# Altium PCB 2012_BALISE_CARTE_PRINCIPALE.PCBDOC (continued)
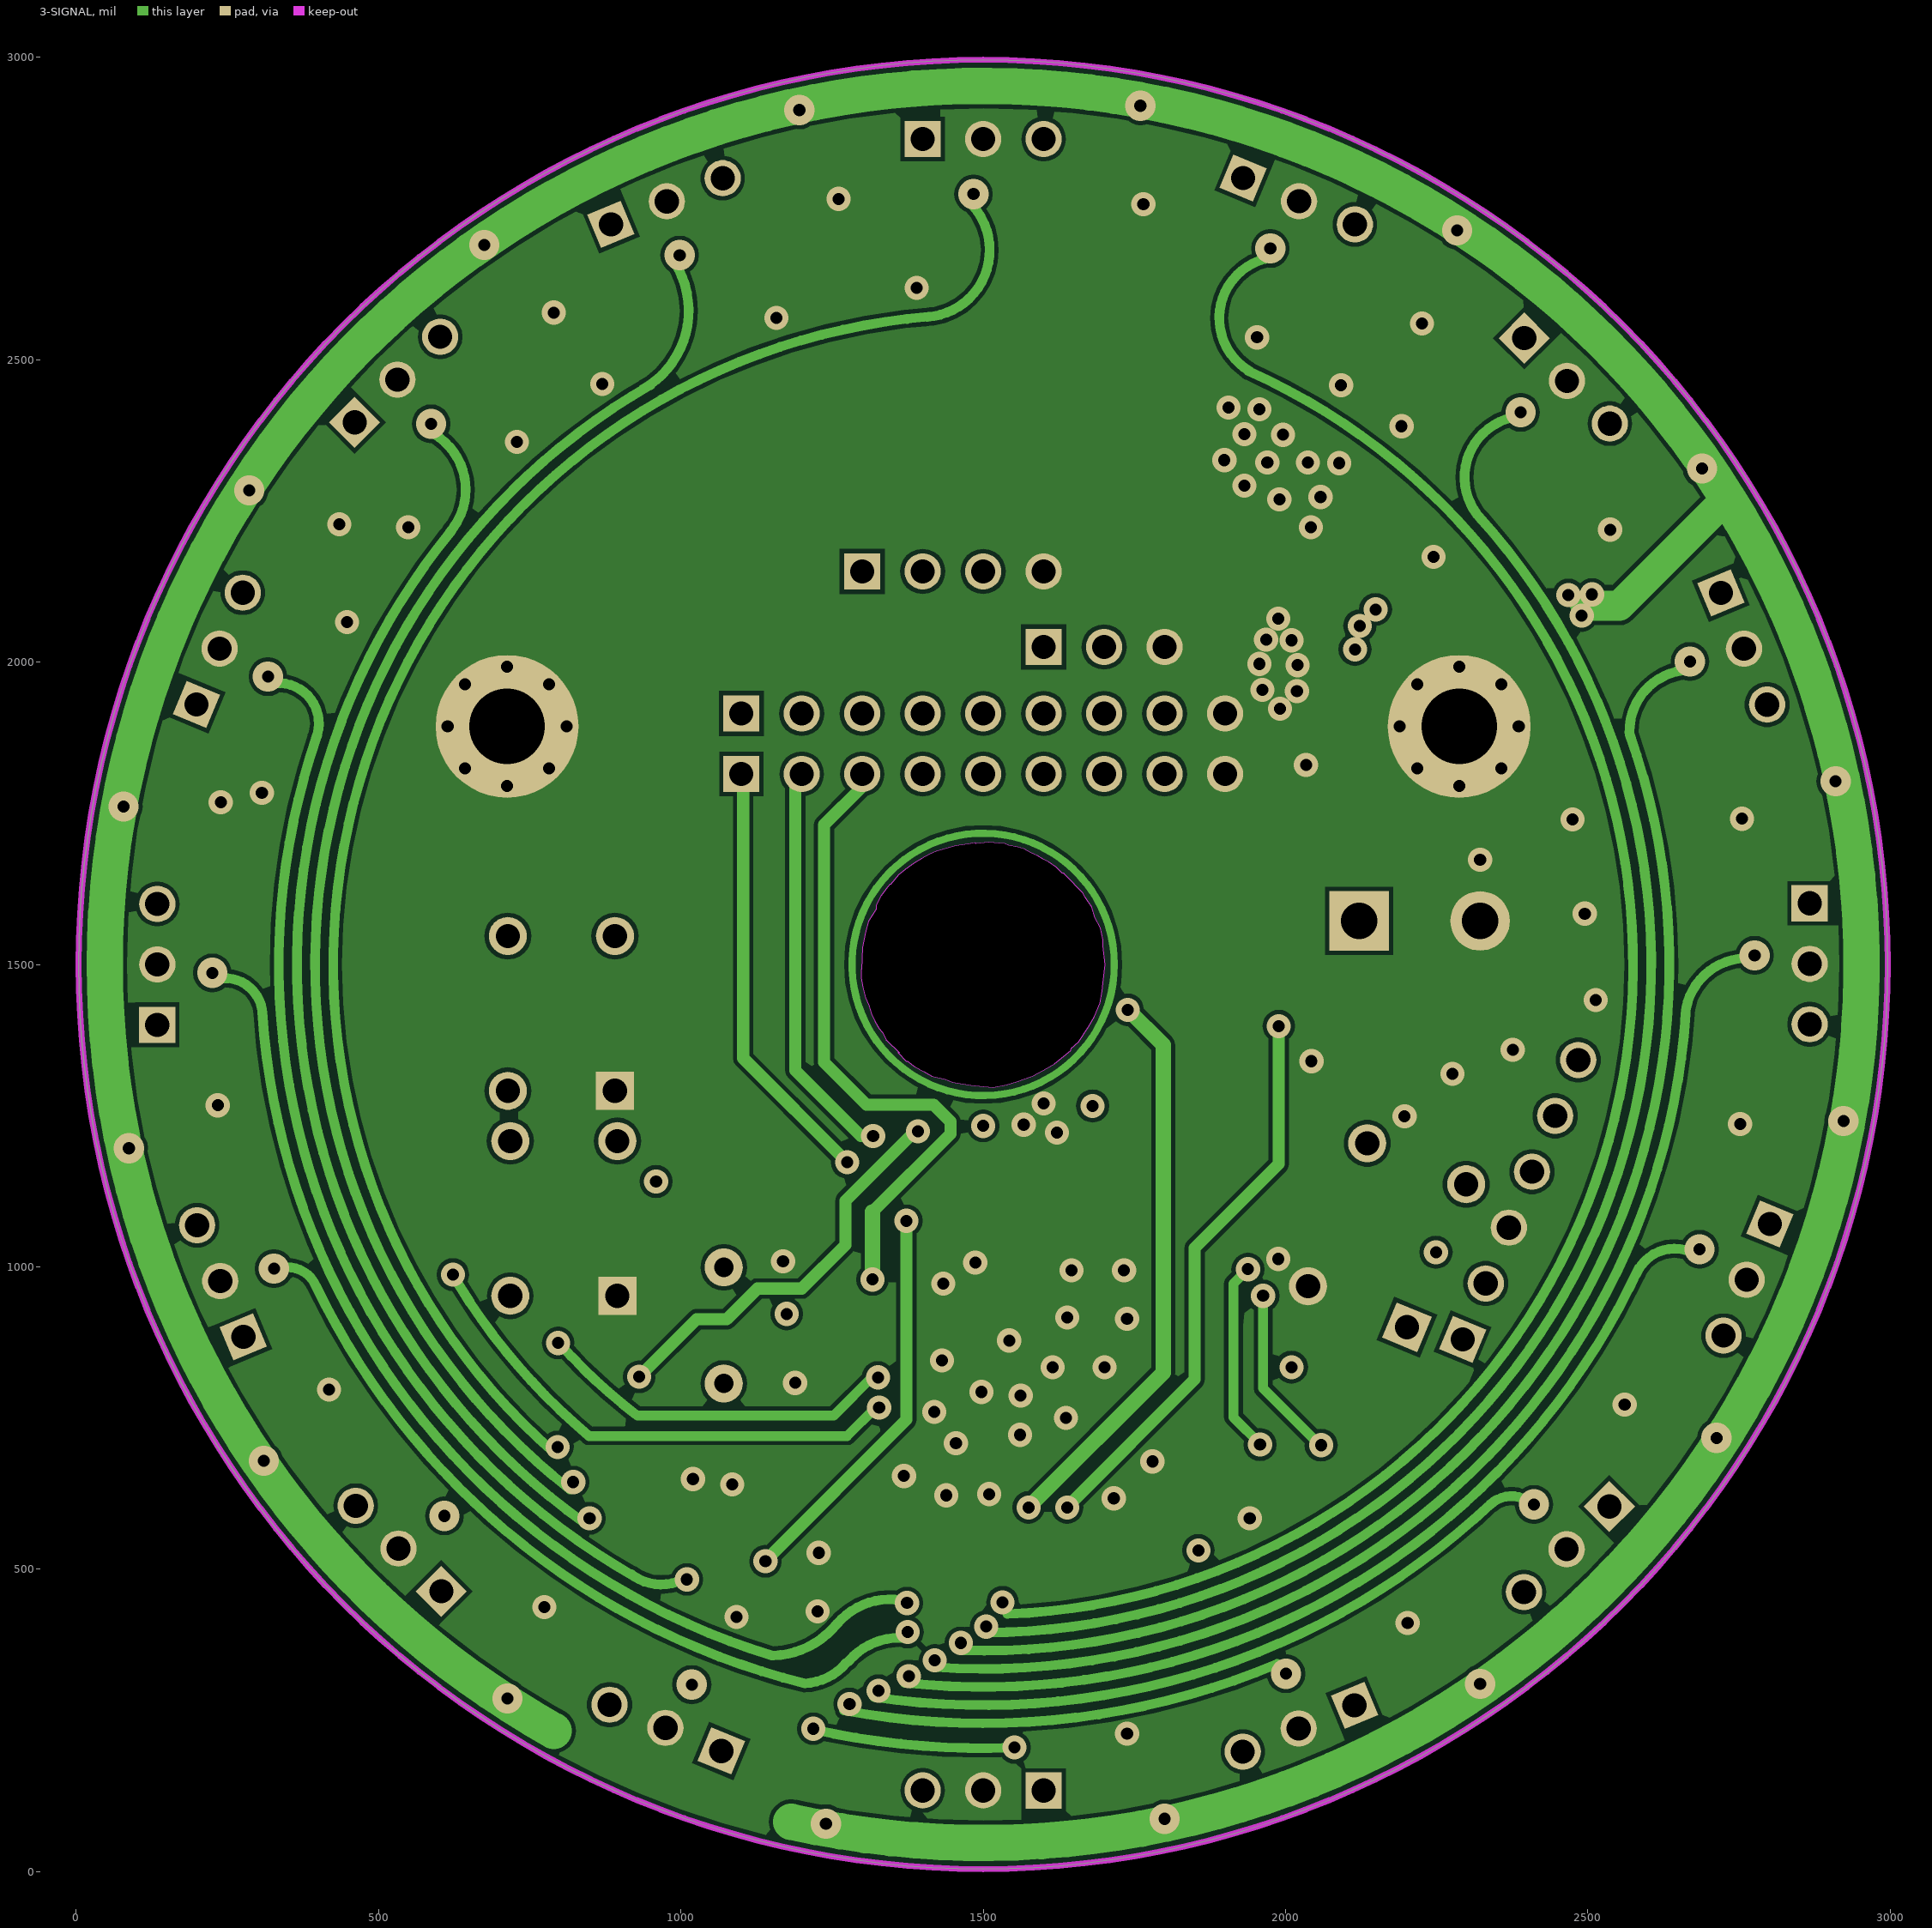
[diagram p3: 3-SIGNAL]
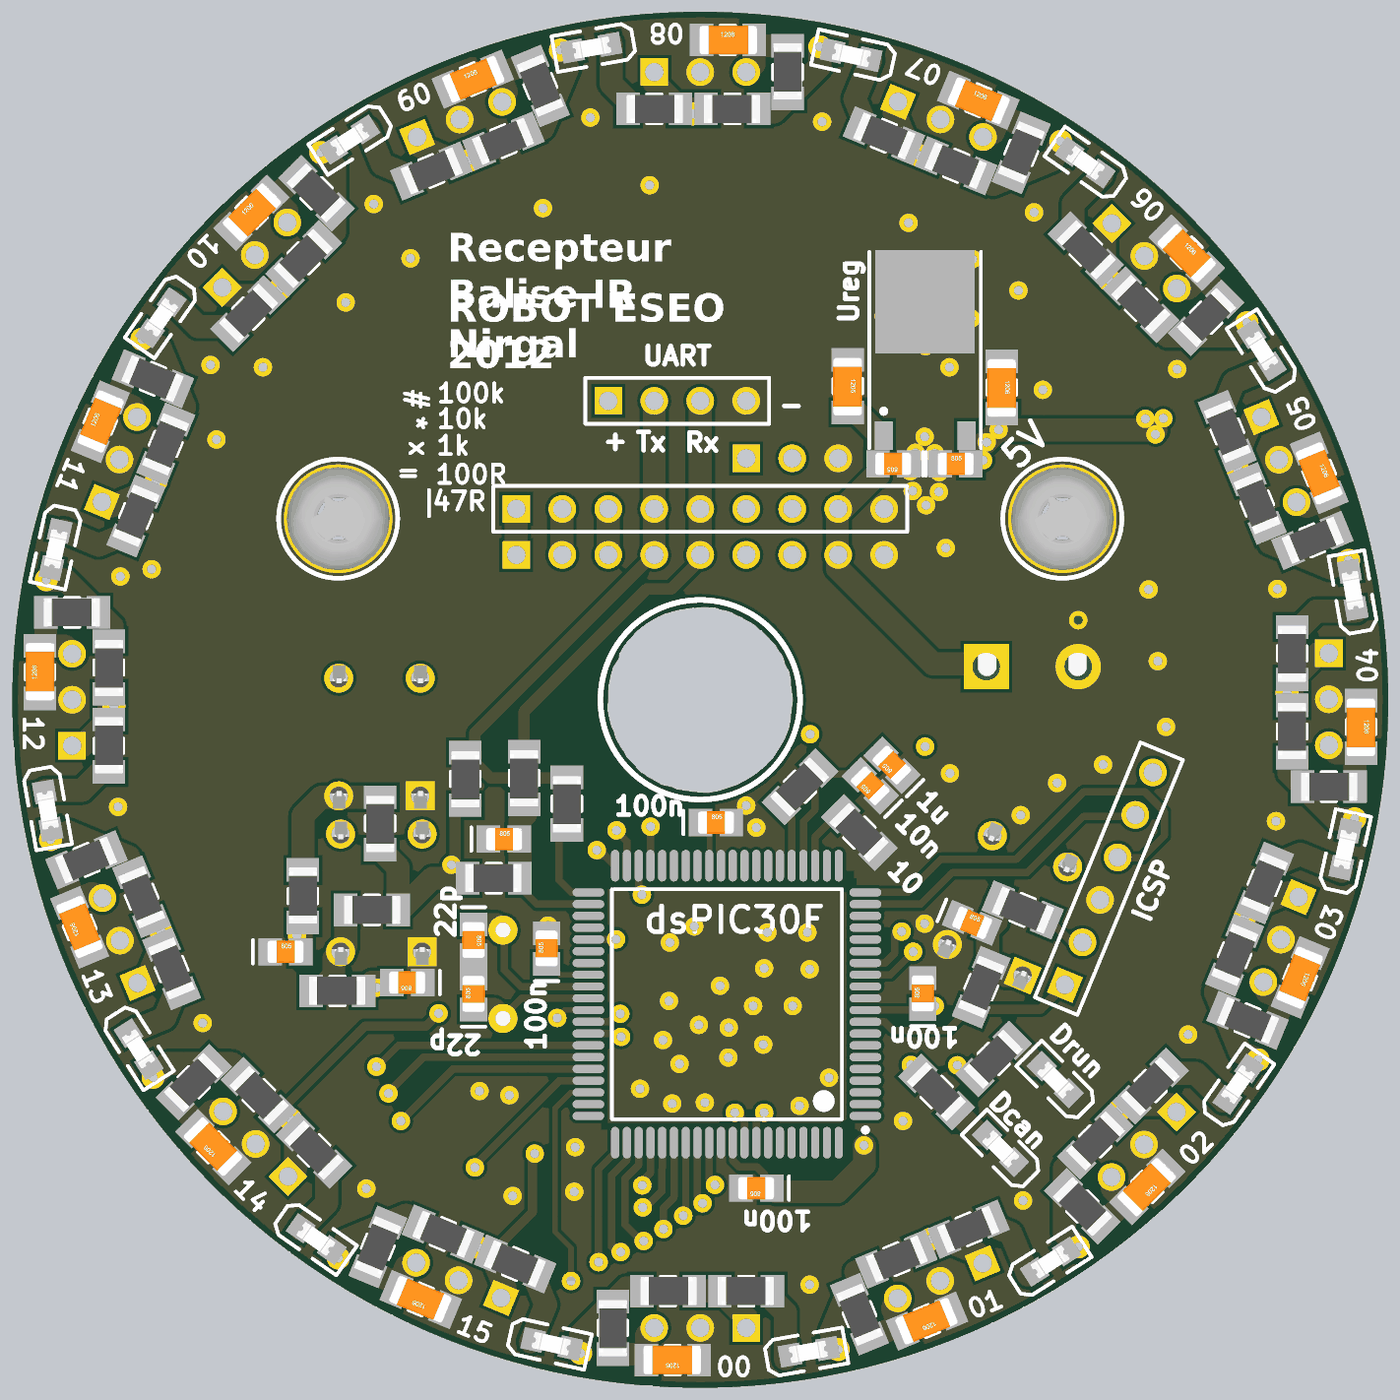
[diagram p4: 3D render of the assembled board from above, using the file's embedded part models]
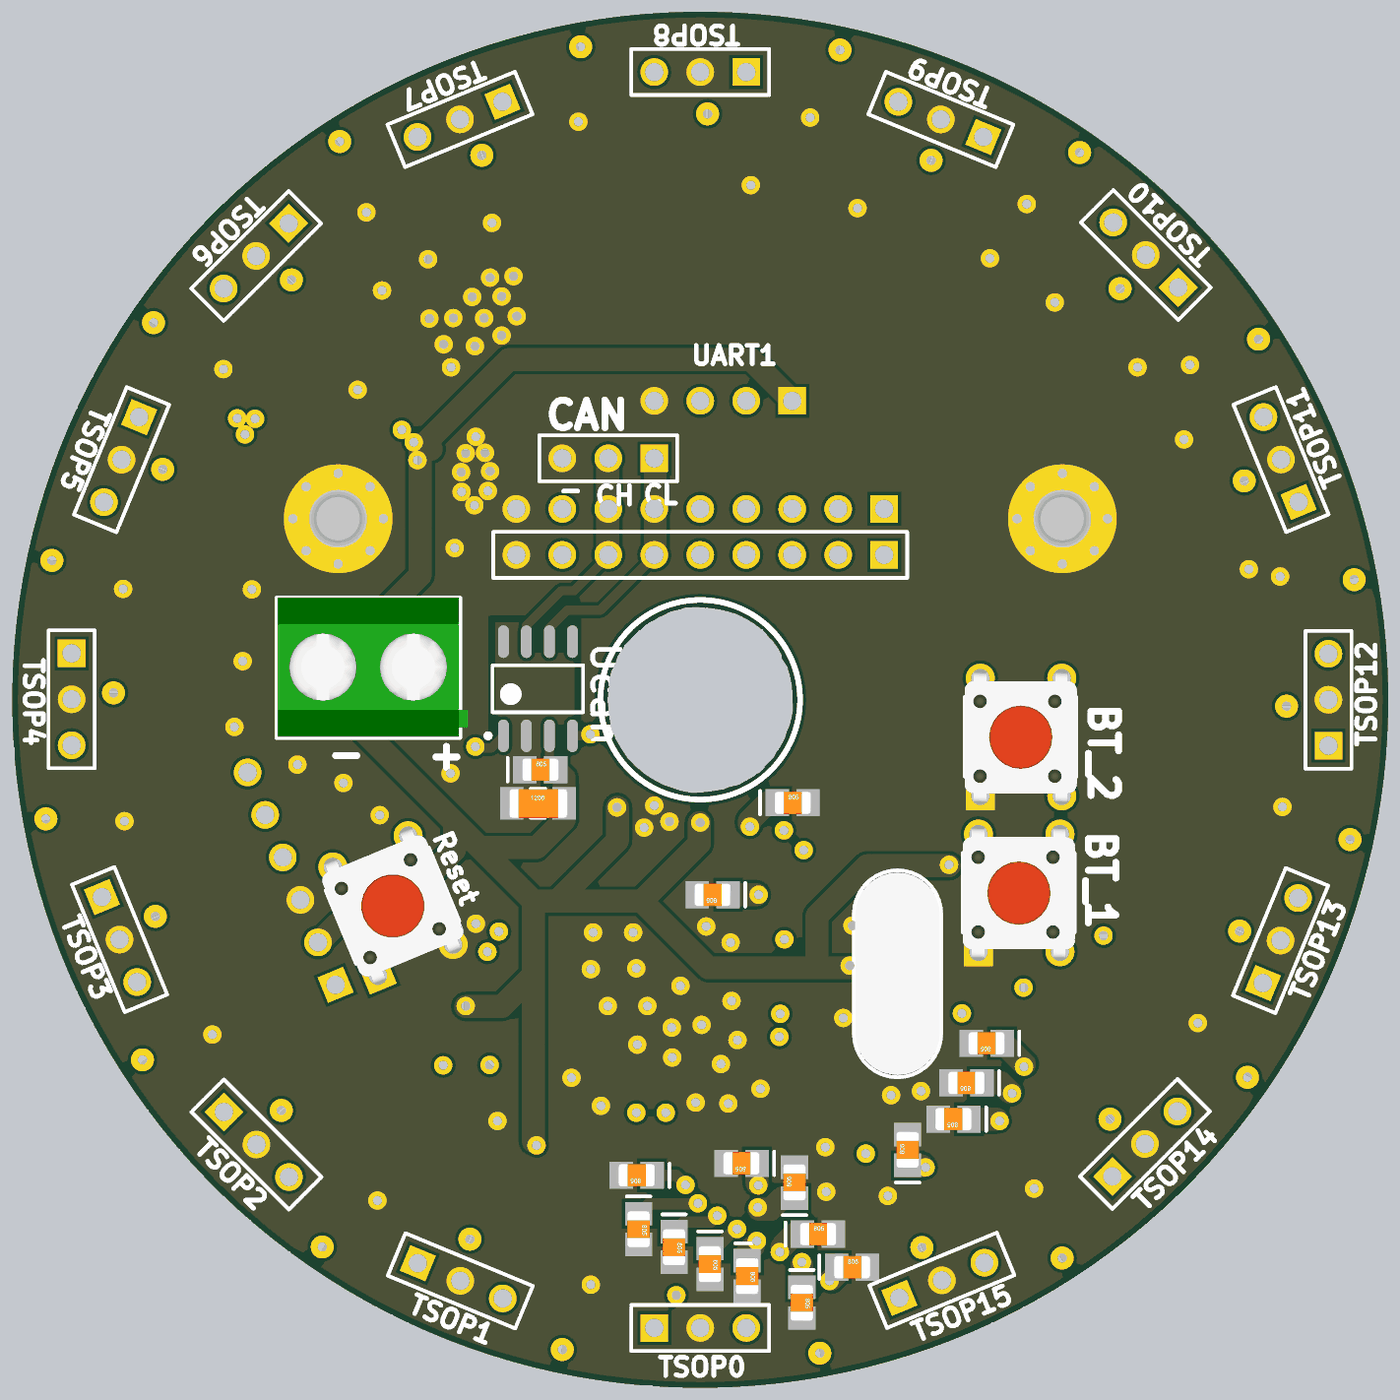
[diagram p5: 3D render of the assembled board from below, using the file's embedded part models]

## Layer stack, top to bottom
1-TOP: signal copper 1.4
Dielectric: core 12.6, FR-4, Dk 4.8
2-GND: signal copper 1.4
Dielectric: prepreg 12.6, FR-4, Dk 4.8
3-SIGNAL: signal copper 1.4
Dielectric: core 12.6, FR-4, Dk 4.8
4-BOT: signal copper 1.4

## Board outline
4,1500 ccw(c1500,1500) 1500,4 ccw(c1500,1500) 2996,1500 ccw(c1500,1500) 1500,2996 ccw(c1500,1500)
cut-out: 1331,1613 1323,1598 1323,1591 1310,1571 1305,1553 1300,1528 1299,1492 1298,1491 1298,1478 1301,1462 1305,1445 1311,1432 1315,1418 1321,1406 1328,1394 1333,1388 1339,1376 1339,1375 1340,1375 1361,1354 1359,1354 1373,1340 1375,1340 1387,1331 1402,1323 1415,1315 1437,1310 1449,1305 1480,1300 1501,1298 1517,1297 1539,1301 1555,1306 1581,1315 1600,1325 1618,1336 1645,1358 1646,1361 1658,1372 1674,1397 1684,1414 1693,1436 1697,1456 1698,1469 1702,1500 1698,1531 1698,1541 1694,1561 1685,1578 1680,1595 1669,1610 1665,1618 1651,1632 1651,1633 1634,1650 1634,1651 1631,1651 1621,1661 1609,1669 1599,1674 1590,1680 1580,1684 1567,1691 1557,1694 1542,1697 1536,1700 1509,1702 1488,1700 1487,1701 1475,1699 1455,1696 1439,1692 1422,1687 1411,1682 1398,1675 1386,1668 1371,1657 1360,1648 1347,1632 1346,1632 1342,1628

## Design rules (kind name [scope] priority, off if disabled: settings)
Clearance Clearance_4 [OnLayer('Bottom Layer') And (IsThruPin Or IsSMTPin) vs OnLayer('Bottom Layer') And (IsVia)] p1 off: gap=8
Clearance Clearance_3 [OnLayer('Bottom Layer') And (IsWire) vs OnLayer('Bottom Layer') And (IsVia)] p2 off: gap=8
Clearance Clearance_2 [OnLayer('Top Layer') And (IsThruPin Or IsSMTPin Or IsVia) vs OnLayer('Top Layer') And (IsVia)] p3 off: gap=8
Clearance Clearance_1 [OnLayer('Top Layer') And (IsWire) vs OnLayer('Top Layer') And (IsVia)] p4 off: gap=8
Clearance [All] p5: gap=7
FabricationTestPointUsage TestPointUsage [All] p1: valid=0 allowmultiple=FALSE
FabricationTestpoint Testpoint [(IsPad And (OnTopLayer Or OnBottomLayer))] p1: side=3 testpointundercomponent=TRUE minsize=40 maxsize=100 preferedsize=60 minholesize=0 maxholesize=40 preferedholesize=32 testpointgrid=1 allowsidetop=TRUE allowsidebottom=TRUE usegrid=TRUE gridtolerance=0.01
PlaneConnect [All] p1: planeconnectstyle=Relief reliefexpansion=25 reliefentries=4 reliefconductorwidth=12 reliefairgap=15
PolygonConnect [All] p1: connectstyle=Direct reliefconductorwidth=10 reliefentries=4 polygonreliefangle="90 Angle"
RoomDefinition 2012_BALISE_CARTE_PRINCIPALE [InComponentClass('2012_BALISE_CARTE_PRINCIPALE')] p1: confinementstyle=ConfineIn formatcopy=TRUE lockcomponents=FALSE outline 7128.6,27 6545,27 6545,-728 7128.6,-728
RoutingLayers RoutingLayers_1 [All] p1: top layer_v5=TRUE mid layer 1_v5=FALSE mid layer 2_v5=FALSE bottom layer_v5=TRUE
RoutingLayers [All] p2: top layer_v5=TRUE mid layer 1_v5=FALSE mid layer 2_v5=FALSE bottom layer_v5=TRUE
RoutingVias [All] p1: holewidth=24 width=50 viastyle="Through Hole" minholewidth=24 minwidth=50 maxholewidth=24 maxwidth=50
SilkscreenOverComponentPads [All] p1: minsilkscreentomaskgap=10
SolderMaskExpansion [All] p1: expansion=0
Width ALIM [InNet('0') Or InNet('VDD')] p1: maxlimit=100 minlimit=10 preferedwidth=25
Width [All] p2: maxlimit=150 minlimit=12 preferedwidth=16
23 further rules are at their usual default settings.

## Components (designator, comment, footprint, x,y, rotation, side; value= is the part's Value field where it differs from the comment)
B? "Bornier 2-Pin" Bornier_2 2122,1572 r0 bottom
BT1 "SW_Pushbutton_6x6mm_Vertical" "Switch 6x6 Vertical" 895,952 r90 bottom
BT2 "SW_Pushbutton_6x6mm_Vertical" "Switch 6x6 Vertical" 891,1291 r90 bottom
CAN "BARRETTE3" HDR1X3 1600,2025 r0 bottom
Cbt1 "100nF" C0805_N 863,885 r180 top
Cbt2 "100nF" C0805_N 598,952 r0 top
Cdcan1 "1uF" C1206_N 1853,1275 r180 bottom
Cdcan2 "100nF" C0805_N 1848,1348 r180 bottom
Cdpic1 "100nF" C0805_N 1534,1233 r0 top
Cdpic2 "100nF" C0805_N 1166,959 r90 top
Cdpic3 "100nF" C0805_N 1622,438 r180 top
Cdpic4 "100nF" C0805_N 1984,861 r90 top
Cf0 "1657937" C1206_N 1440,64 r180 top
Cf1 "1657937" C1206_N 1993.15,148.78 r202.5 top
Cf2 "1657937" C1206_N 2472.2,440.86 r225 top
Cf3 "1657937" C1206_N 2804.49,896.27 r247.5 top
Cf4 "1657937" C1206_N 2937,1441 r270 top
Cf5 "1657937" C1206_N 2846.05,1993.45 r292.5 top
Cf6 "1657937" C1206_N 2557.67,2472.19 r315 top
Cf7 "1657937" C1206_N 2104.66,2803.75 r337.5 top
Cf8 "1657937" C1206_N 1560,2935 r0 top
Cf9 "1657937" C1206_N 1005.42,2849.58 r22.5 top
Cf10 "1657937" C1206_N 524.15,2559.1 r45 top
Cf11 "1657937" C1206_N 195.34,2104.62 r67.5 top
Cf12 "1657937" C1206_N 64,1560 r90 top
Cf13 "1657937" C1206_N 150.47,1004.98 r112.5 top
Cf14 "1657937" C1206_N 441.08,526.99 r135 top
Cf15 "1657937" C1206_N 892.29,195.79 r157.5 top
Cin "10uF" C1206_N 1821,2182 r270 top
Cin2 "10nF" C0805_N 1920,2013 r180 top
Cmclr "100nF" C0805_N 2091,1015 r337.5 top
Cout "10uF" C1206_N 2156,2179 r270 top
Cout2 "100nF" C0805_N 2055,2013 r0 top
Cq1 "22pF" C0805_N 1007,860 r90 top
Cq2 "22pF" C0805_N 1007,978 r270 top
Ctsop0 "1nF" C0805_N 1170,266 r180 bottom
Ctsop1 "1nF" C0805_N 1279,189 r270 bottom
Ctsop2 "1nF" C0805_N 1244,338 r180 bottom
Ctsop3 "1nF" C0805_N 1398,247 r270 bottom
Ctsop4 "1nF" C0805_N 1479,273 r270 bottom
Ctsop5 "1nF" C0805_N 1557,310 r270 bottom
Ctsop6 "1nF" C0805_N 1634,349 r270 bottom
Ctsop7 "1nF" C0805_N 1638,466 r0 bottom
Ctsop8 "1nF" C0805_N 877,753 r0 bottom
Ctsop9 "1nF" C0805_N 921,667 r0 bottom
Ctsop10 "1nF" C0805_N 949,588 r0 bottom
Ctsop11 "1nF" C0805_N 1049,521 r90 bottom
Ctsop12 "1nF" C0805_N 1410,492 r0 bottom
Ctsop13 "1nF" C0805_N 1295,450 r90 bottom
Ctsop14 "1nF" C0805_N 1299,1276 r180 bottom
Ctsop15 "1nF" C0805_N 1473,1076 r0 bottom
Cu1rx "100pF" C0805_N 1073,1197 r0 top
Cvref1 "100nF" C0805_N 1917,1358 r135 top
Cvref2 "10nF" C0805_N 1870,1313 r135 top
D0 "LED" LED_0805 1736,82 r190 top
D1 "LED" LED_0805 2262,278 r212.5 top
D2 "LED" LED_0805 2670,664 r235 top
D3 "LED" LED_0805 2903,1175 r257.5 top
D4 "LED" LED_0805 2919,1739 r280 top
D5 "LED" LED_0805 2721,2260 r302.5 top
D6 "LED" LED_0805 2337,2668 r325 top
D7 "LED" LED_0805 1828,2902 r347.5 top
D8 "LED" LED_0805 1263,2918 r10 top
D9 "LED" LED_0805 737,2718 r32.5 top
D10 "LED" LED_0805 327,2331 r55 top
D11 "LED" LED_0805 98,1827 r77.5 top
D12 "LED" LED_0805 81,1259 r100 top
D13 "LED" LED_0805 279,740 r122.5 top
D14 "LED" LED_0805 665,327 r145 top
D15 "LED" LED_0805 1177,99 r167.5 top
Dcan "LED" LED_0805 2153,524 r315 top
Drun "LED" LED_0805 2272,674 r315 top
ICSP "BARRETTE6" HDR1X6 2293,880 r67.5 top
interBalises "Header 9" HDR1X9 1100,1915 r0 top locked
interBalises2 "Header 9" HDR1X9 1100,1815 r0 bottom
Q "10MHz" HC49US 1071,903 r270 bottom
Rbt1 "100" R1206_N 711,867 r180 top
Rbt2 "100" R1206_N 636,1073 r90 top
Rf0 "47" R1206_N 1310,134 r270 top
Rf1 "47" R1206_N 1846.26,163.7 r292.5 top
Rf2 "47" R1206_N 2330.77,398.43 r315 top
Rf3 "47" R1206_N 2690.07,802.95 r337.5 top
Rf4 "47" R1206_N 2867,1311 r0 top
Rf5 "47" R1206_N 2831.13,1846.55 r22.5 top
Rf6 "47" R1206_N 2600.1,2330.77 r45 top
Rf7 "47" R1206_N 2197.98,2689.33 r67.5 top
Rf8 "47" R1206_N 1690,2865 r90 top
Rf9 "47" R1206_N 1152.32,2834.66 r112.5 top
Rf10 "47" R1206_N 665.57,2601.53 r135 top
Rf11 "47" R1206_N 309.76,2197.94 r157.5 top
Rf12 "47" R1206_N 134,1690 r180 top
Rf13 "47" R1206_N 165.39,1151.88 r202.5 top
Rf14 "47" R1206_N 398.65,668.41 r225 top
Rf15 "47" R1206_N 798.98,310.21 r247.5 top
Rled0 "RES_CMS_1206" R1206_N 1600,214 r180 top
Rled1 "RES_CMS_1206" R1206_N 2083.57,348.59 r202.5 top
Rled2 "RES_CMS_1206" R1206_N 2479.27,660.06 r225 top
Rled3 "RES_CMS_1206" R1206_N 2727.14,1101.49 r247.5 top
Rled4 "RES_CMS_1206" R1206_N 2787,1601 r270 top
Rled5 "RES_CMS_1206" R1206_N 2646.24,2083.86 r292.5 top
Rled6 "RES_CMS_1206" R1206_N 2338.47,2479.26 r315 top
Rled7 "RES_CMS_1206" R1206_N 1899.44,2726.4 r337.5 top
Rled8 "RES_CMS_1206" R1206_N 1400,2785 r0 top
Rled9 "RES_CMS_1206" R1206_N 915.01,2649.77 r22.5 top
Rled10 "RES_CMS_1206" R1206_N 517.08,2339.9 r45 top
Rled11 "RES_CMS_1206" R1206_N 272.69,1899.4 r67.5 top
Rled12 "RES_CMS_1206" R1206_N 214,1400 r90 top
Rled13 "RES_CMS_1206" R1206_N 350.28,914.56 r112.5 top
Rled14 "RES_CMS_1206" R1206_N 660.28,519.92 r135 top
Rled15 "RES_CMS_1206" R1206_N 1097.52,273.14 r157.5 top
Rledcan "RES_CMS_1206" R1206_N 2014,647 r135 top
Rledrun "RES_CMS_1206" R1206_N 2138,719 r225 top
Rmclr "10k" R1206_N 2201,1043 r337.5 top
Rp0 "10k" R1206_N 1430,214 r0 top
Rp1 "10k" R1206_N 1926.51,283.53 r22.5 top
Rp2 "10k" R1206_N 2359.06,539.85 r45 top
Rp3 "10k" R1206_N 2662.08,944.43 r67.5 top
Rp4 "10k" R1206_N 2787,1431 r90 top
Rp5 "10k" R1206_N 2711.29,1926.81 r112.5 top
Rp6 "10k" R1206_N 2458.68,2359.06 r135 top
Rp7 "10k" R1206_N 2056.5,2661.34 r157.5 top
Rp8 "10k" R1206_N 1570,2785 r180 top
Rp9 "10k" R1206_N 1072.07,2714.82 r202.5 top
Rp10 "10k" R1206_N 637.29,2460.11 r225 top
Rp11 "10k" R1206_N 337.75,2056.46 r247.5 top
Rp12 "10k" R1206_N 214,1570 r270 top
Rp13 "10k" R1206_N 285.22,1071.62 r292.5 top
Rp14 "10k" R1206_N 540.07,640.12 r315 top
Rp15 "10k" R1206_N 940.46,338.2 r337.5 top
Rpbt1 "100k" R1206_N 786,1043 r0 top
Rpbt2 "100k" R1206_N 804,1231 r270 top
Rsmclr "100" R1206_N 2111,875 r67.5 top
Rsu1rx "10k" R1206_N 1117,1330 r270 top
Rsu1tx "100" R1206_N 1210,1274 r270 top
Ru1rx "10k" R1206_N 1051,1112 r180 top
Ru1tx "10k" R1206_N 989,1328 r270 top
Rvref+ "10k" R1206_N 1717,1311 r225 top
Rvref- "10" R1206_N 1846,1211 r135 top
SW1 "SW_Pushbutton_6x6mm_Vertical" "Switch 6x6 Vertical" 2201,900 r67.5 bottom
TSOP0 "TSOP" HDR1X3 1600,134 r180 bottom
TSOP1 "TSOP" HDR1X3 2114.19,274.68 r202.5 bottom
TSOP2 "TSOP" HDR1X3 2535.84,603.49 r225 bottom
TSOP3 "TSOP" HDR1X3 2801.05,1070.88 r247.5 bottom
TSOP4 "TSOP" HDR1X3 2867,1601 r270 bottom
TSOP5 "TSOP" HDR1X3 2720.15,2114.48 r292.5 bottom
TSOP6 "TSOP" HDR1X3 2395.04,2535.83 r315 bottom
TSOP7 "TSOP" HDR1X3 1930.05,2800.31 r337.5 bottom
TSOP8 "TSOP" HDR1X3 1400,2865 r0 bottom
TSOP9 "TSOP" HDR1X3 884.39,2723.68 r22.5 bottom
TSOP10 "TSOP" HDR1X3 460.51,2396.47 r45 bottom
TSOP11 "TSOP" HDR1X3 198.78,1930.01 r67.5 bottom
TSOP12 "TSOP" HDR1X3 134,1400 r90 bottom
TSOP13 "TSOP" HDR1X3 276.37,883.95 r112.5 bottom
TSOP14 "TSOP" HDR1X3 603.71,463.35 r135 bottom
TSOP15 "TSOP" HDR1X3 1066.9,199.23 r157.5 bottom
U1 "dsPIC30F6010A" TQFP80_N 1558,838 r180 top
UART "BARRETTE4" HDR1X4 1300,2150 r0 top
Ucan "MCP2551" SOIC150-8_N 1853,1524 r90 bottom
Ureg "MC7805BDTG" 369A-13 1989,2220 r0 top
Vis1 "Pad_M3" M3x6mm 2287.4,1893.7 r0 top locked
Vis3 "Pad_M3" M3x6mm 712.6,1893.7 r0 top

## Footprints (in the part's own frame and the unit in brackets; to place one, negate y for a bottom-side part, rotate by r counter-clockwise, add the part's x,y. Pads: shape width x height; smd on the part's side, far side on the other; paste and mask are expansions set on the pad)
369A-13 [mm] "D-PAK/TO-252-AA; 3 Leads (1 Cropped); Body 10.3 (inc. leads) x 6.7 mm (LxW max)"
  rect 1x1.6 smd: 1(-2.285,-3.7) 3(2.285,-3.7)
  rect 5.5x5.7 smd: 4(0,3.7)
  silkscreen extent -3.09,-4.4 3.09,6.45
Bornier_2 [mm]
  rect 2.5x2.5 hole 1.524: 1(0,0)
  round 2.5 hole 1.524: 2(5.08,0)
  silkscreen extent -2.54,-3.81 7.62,3.94, body extent -2.96,-3.82 7.54,3.88, height 10
C0805_N [mm] "Chip Capacitor, Body 2.0x1.3mm, IPC Medium Density"
  rect 1.3x1.5 smd: 1(-0.85,0) 2(0.85,0)
  silkscreen extent -1.8,-0.65 -1.8,0.65, body extent -0.99,-0.63 1.01,0.63, height 0.8
C1206_N [mm] "Chip Capacitor, Body 3.2x1.6mm, IPC Medium Density"
  rect 1.3x1.8 smd: 1(-1.45,0) 2(1.45,0)
  silkscreen extent -0.4,-0.8 0.4,0.8, body extent -1.57,-0.81 1.63,0.79, height 1.02
HC49US [mil] "Quartz Crystal, HC49 Bas profil, Pas 4,88mm"
  round 63 hole 32: 1(-96.06,0) 2(96.06,0)
  silkscreen extent -226,-95 224,95, body extent -221,-92 219,92, height 143
HDR1X3 [mil] "Connector; Header; 3 Position"
  rect 60x60 hole 40: 1(0,0)
  round 60 hole 40: 2(100,0) 3(200,0)
  silkscreen extent -50,-50 250,50
HDR1X4 [mil] "Connector; Header; 4 Position"
  rect 60x60 hole 40: 1(0,0)
  round 60 hole 40: 2(100,0) 3(200,0) 4(300,0)
  silkscreen extent -50,-50 350,50
HDR1X6 [mil] "Connector; Header; 6 Position"
  rect 60x60 hole 40: 1(0,0)
  round 60 hole 40: 2(100,0) 3(200,0) 4(300,0) 5(400,0) 6(500,0)
  silkscreen extent -50,-50 550,50
HDR1X9 [mil] "Connector; Header; 9 Position"
  rect 60x60 hole 40: 1(0,0)
  round 60 hole 40: 2(100,0) 3(200,0) 4(300,0) 5(400,0) 6(500,0) 7(600,0) 8(700,0) 9(800,0)
  silkscreen extent -50,-50 850,50
LED_0805 [mm] "SM LED; 2 Flat Leads"
  rect 1.2x1.2 smd: 1(-1.05,0) 2(1.05,0)
  silkscreen extent -2.05,-1 2.35,1, body extent -1.15,-0.8 1.2,0.79, height 1.2
M3x6mm [mm] "Vis M3 X 6mm _TORX_Tête 6mm"
  round 0.8 hole 0.508: 1(-2.5,0) 1(-1.768,-1.768) 1(-1.768,1.768) 1(0,-2.5) 1(0,2.5) 1(1.768,-1.768) 1(1.768,1.768) 1(2.5,0)
  round 6 hole 3.175: 1(0,0)
  silkscreen extent -3.29,-3.28 3.29,3.28, body extent -2.84,-2.85 2.86,2.85, height 1.67
R1206_N [mm] "Chip Resistor, Body 3.2x1.6mm, IPC Medium Density"
  rect 1.3x1.8 smd: 1(-1.45,0) 2(1.45,0)
  silkscreen extent -0.4,-0.8 0.4,0.8, body extent -1.68,-0.87 1.68,0.88, height 0.71
SOIC150-8_N [mm] "SOIC, 8-Leads, Body 4.9x3.8mm, Pitch 1.27mm, IPC Medium Density"
  oval 1.8x0.6 smd: 1(-2.6,1.905) 2(-2.6,0.635) 3(-2.6,-0.635) 4(-2.6,-1.905) 5(2.6,-1.905) 6(2.6,-0.635) 7(2.6,0.635) 8(2.6,1.905)
  silkscreen extent -2.72,-2.5 1.3,2.88, body extent -2,-2.5 2,2.5, height 1.76
"Switch 6x6 Vertical" [mm]
  rect 1.6x1.6 hole 1.016: 1(0,0)
  round 1.6 hole 1.016: 2(6.5,0) 3(0,-4.5) 4(6.5,-4.5)
  silkscreen extent 1.07,-5.31 5.46,0.86, body extent -0.71,-5.34 7.19,0.86, height 7
TQFP80_N [mm] "80-Pin Thin Plastic Quad Flat Pack 0.65 mm Pitch, IPC Medium Density"
  oval 1.75x0.45 smd: 1(-7.65,6.175) 2(-7.65,5.525) 3(-7.65,4.875) 4(-7.65,4.225) 5(-7.65,3.575) 6(-7.65,2.925) 7(-7.65,2.275) 8(-7.65,1.625) 9(-7.65,0.975) 10(-7.65,0.325) 11(-7.65,-0.325) 12(-7.65,-0.975) 13(-7.65,-1.625) 14(-7.65,-2.275) 15(-7.65,-2.925) 16(-7.65,-3.575) 17(-7.65,-4.225) 18(-7.65,-4.875) 19(-7.65,-5.525) 20(-7.65,-6.175) 41(7.65,-6.175) 42(7.65,-5.525) 43(7.65,-4.875) 44(7.65,-4.225) 45(7.65,-3.575) 46(7.65,-2.925) 47(7.65,-2.275) 48(7.65,-1.625) 49(7.65,-0.975) 50(7.65,-0.325) 51(7.65,0.325) 52(7.65,0.975) 53(7.65,1.625) 54(7.65,2.275) 55(7.65,2.925) 56(7.65,3.575) 57(7.65,4.225) 58(7.65,4.875) 59(7.65,5.525) 60(7.65,6.175)
  oval 0.45x1.75 smd: 21(-6.175,-7.65) 22(-5.525,-7.65) 23(-4.875,-7.65) 24(-4.225,-7.65) 25(-3.575,-7.65) 26(-2.925,-7.65) 27(-2.275,-7.65) 28(-1.625,-7.65) 29(-0.975,-7.65) 30(-0.325,-7.65) 31(0.325,-7.65) 32(0.975,-7.65) 33(1.625,-7.65) 34(2.275,-7.65) 35(2.925,-7.65) 36(3.575,-7.65) 37(4.225,-7.65) 38(4.875,-7.65) 39(5.525,-7.65) 40(6.175,-7.65) 61(6.175,7.65) 62(5.525,7.65) 63(4.875,7.65) 64(4.225,7.65) 65(3.575,7.65) 66(2.925,7.65) 67(2.275,7.65) 68(1.625,7.65) 69(0.975,7.65) 70(0.325,7.65) 71(-0.325,7.65) 72(-0.975,7.65) 73(-1.625,7.65) 74(-2.275,7.65) 75(-2.925,7.65) 76(-3.575,7.65) 77(-4.225,7.65) 78(-4.875,7.65) 79(-5.525,7.65) 80(-6.175,7.65)
  silkscreen extent -7.78,-6.35 6.35,7.07, body extent -7,-7 7,7, height 1.6
